# Altium PCB LED_12T-V1.1拼.PcbDoc (part 1 of 5)
Units mm, origin at the board's own origin, x right, y up, seen from the top; angles counter-clockwise.
Board outline 152.4 x 101.6 mm, 2 copper layers (Top Layer, Bottom Layer); 148 components, 0 nets, 416 pads, 236 vias.
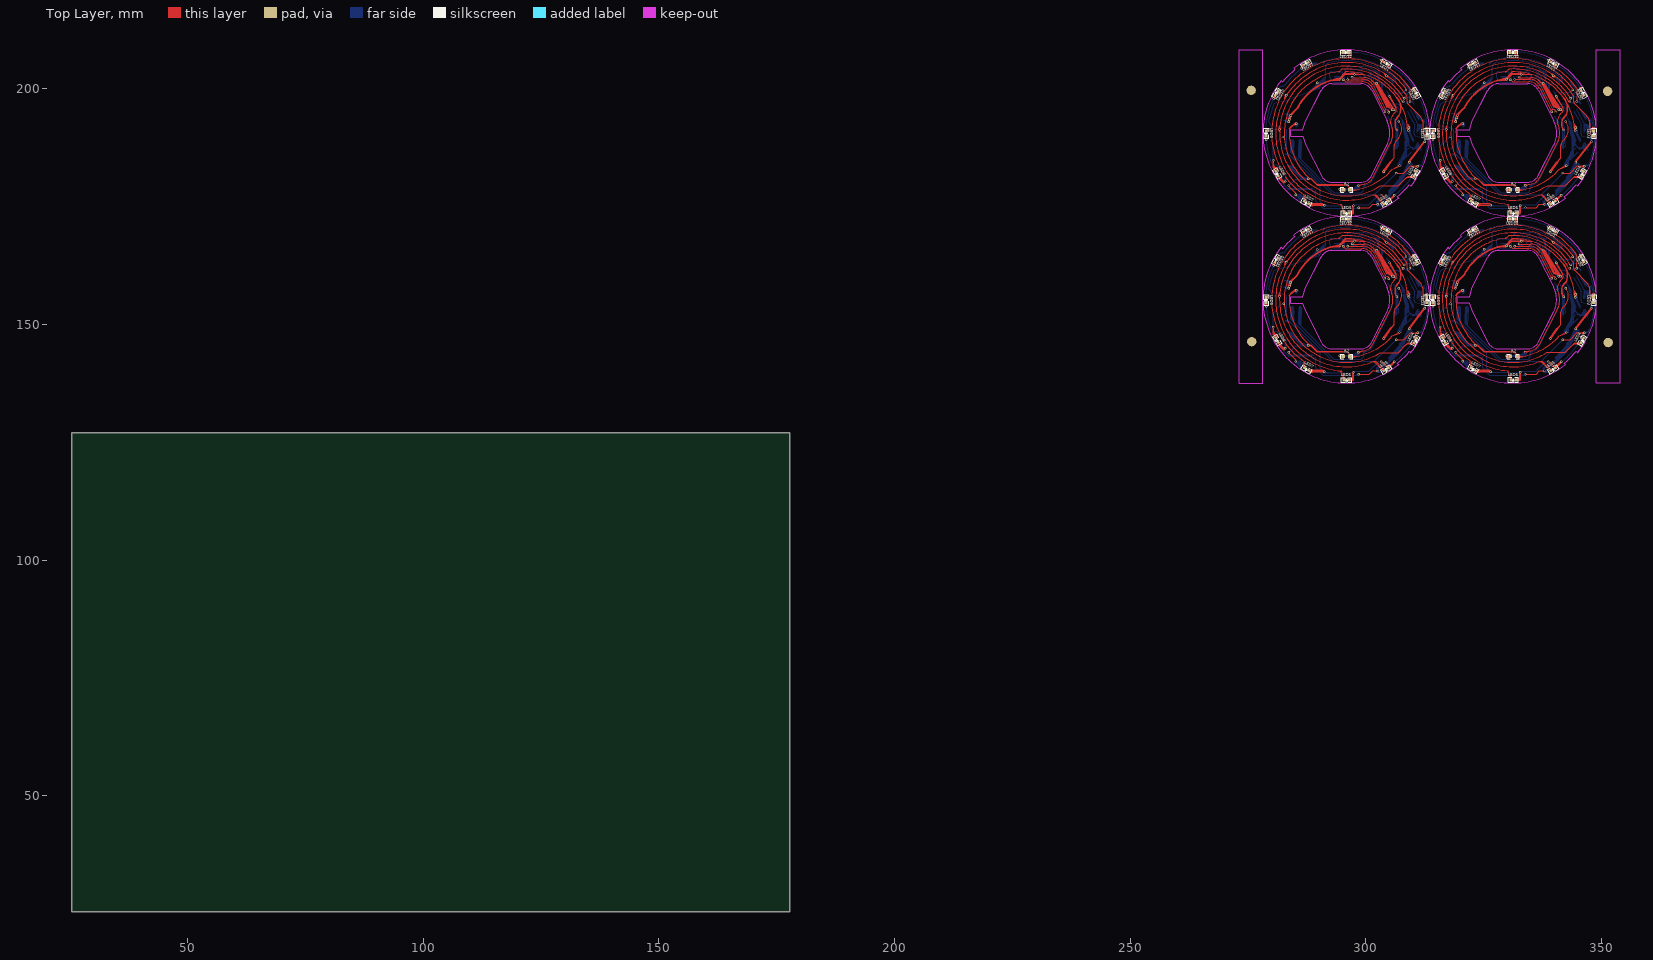
[diagram p0: Top Layer view]
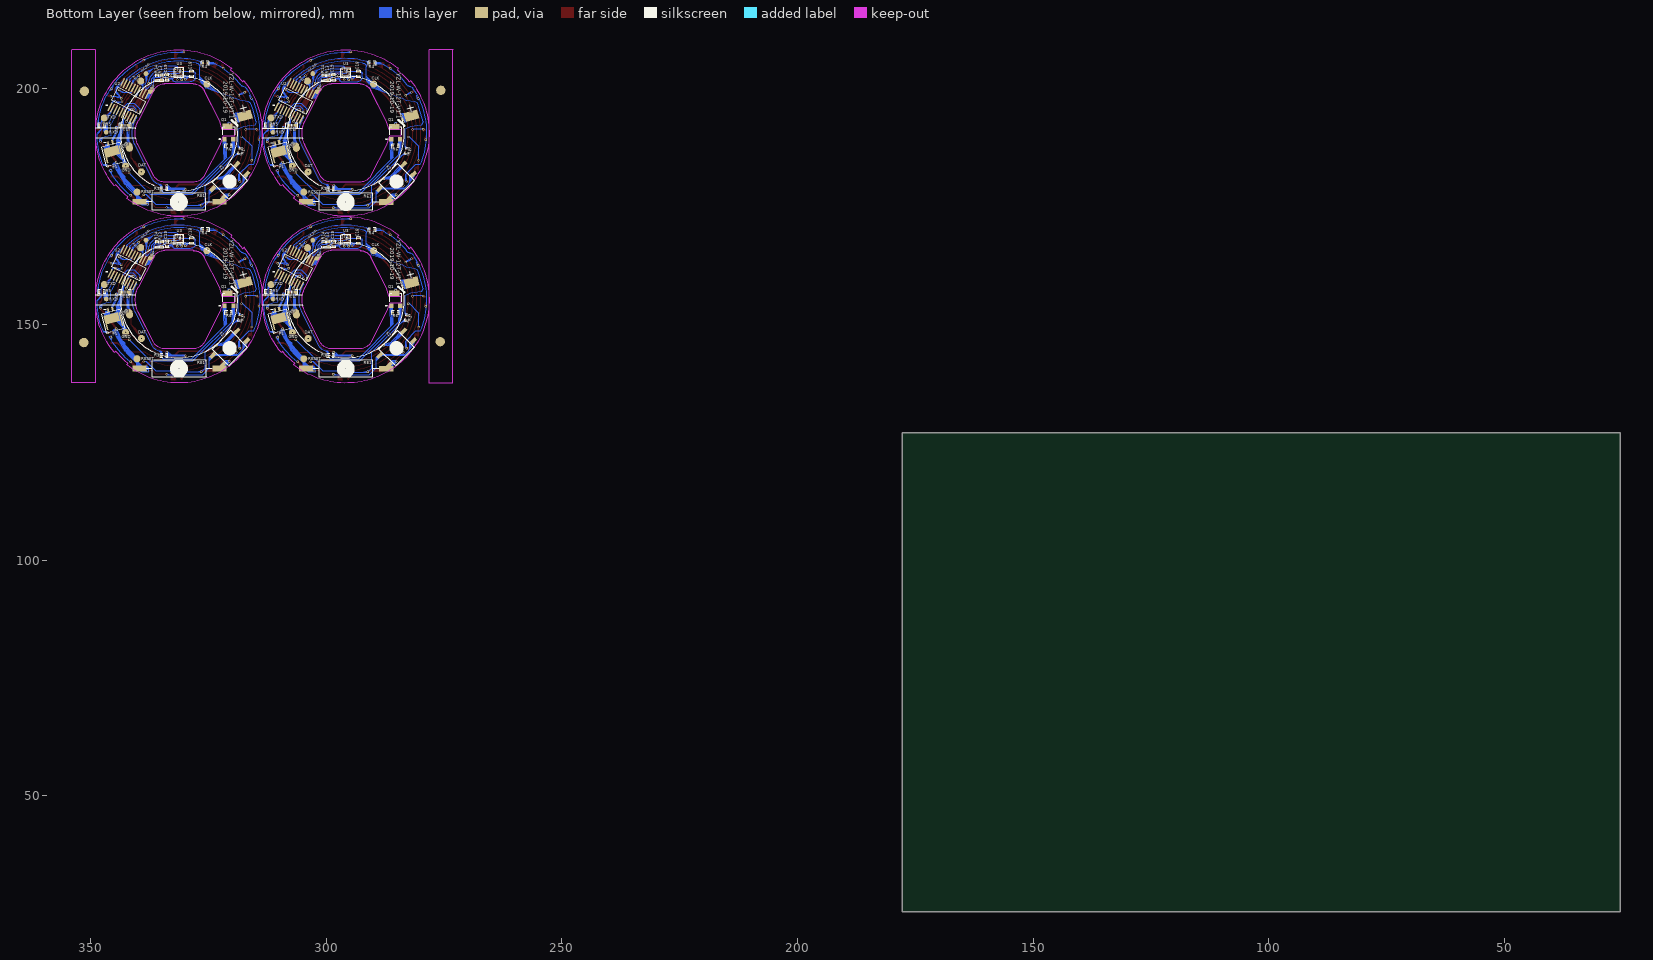
[diagram p1: Bottom Layer view, seen from below]

## Layer stack, top to bottom
Top Layer: signal copper 0.0356
Dielectric: dielectric 0.32, FR-4, Dk 4.8
Bottom Layer: signal copper 0.0356

## Board outline
25.4,25.4 177.8,25.4 177.8,127 25.4,127

## Design rules (kind name [scope] priority, off if disabled: settings)
Clearance [All] p1: gap=0.254
PolygonConnect [All] p1: connectstyle=Relief reliefconductorwidth=0.254 reliefentries=4 polygonreliefangle="90 Angle"
RoutingVias [All] p1: holewidth=0.711 width=1.27 viastyle="Through Hole" minholewidth=0.711 minwidth=1.27 maxholewidth=0.711 maxwidth=1.27
SilkscreenOverComponentPads [All] p1: minsilkscreentomaskgap=0.254
SolderMaskExpansion [All] p1: expansion=0.102
Width [All] p1: maxlimit=0.254 minlimit=0.254 preferedwidth=0.254
27 further rules are at their usual default settings.

## Components (designator, comment, footprint, x,y, rotation, side; value= is the part's Value field where it differs from the comment)
BAT "测试点" 测试点#1 341.802,152.261 r315 bottom (schematic designator 3V3)
BAT "测试点" 测试点#1 306.419,152.252 r315 bottom (schematic designator 3V3)
BAT "测试点" 测试点#1 306.425,187.611 r315 bottom (schematic designator 3V3)
BAT "测试点" 测试点#1 341.808,187.62 r315 bottom (schematic designator 3V3)
C1 "104" 0603P 342.664,156.86 r180 bottom
C1 "104" 0603P 307.281,156.851 r180 bottom
C1 "104" 0603P 307.287,192.21 r180 bottom
C1 "104" 0603P 342.669,192.219 r180 bottom
C18 "104" 0402_C 328.547,167.836 r90 bottom
C18 "104" 0402_C 293.164,167.827 r90 bottom
C18 "104" 0402_C 293.169,203.186 r90 bottom
C18 "104" 0402_C 328.552,203.195 r90 bottom
C19 "104" 0402_C 333.78,167.084 r270 bottom
C19 "104" 0402_C 298.397,167.076 r270 bottom
C19 "104" 0402_C 298.402,202.435 r270 bottom
C19 "104" 0402_C 333.785,202.444 r270 bottom
CLK "测试点" 测试点#2 325.245,165.678 r180 bottom
CLK "测试点" 测试点#2 289.862,165.669 r180 bottom
CLK "测试点" 测试点#2 289.867,201.028 r180 bottom
CLK "测试点" 测试点#2 325.25,201.037 r180 bottom
DAT "测试点" 测试点#2 339.148,147.047 r180 bottom
DAT "测试点" 测试点#2 303.765,147.038 r180 bottom
DAT "测试点" 测试点#2 303.77,182.397 r180 bottom
DAT "测试点" 测试点#2 339.153,182.406 r180 bottom
GND "测试点" 测试点#2 342.508,148.311 r180 bottom
GND "测试点" 测试点#2 307.125,148.302 r180 bottom
GND "测试点" 测试点#2 307.131,183.661 r180 bottom
GND "测试点" 测试点#2 342.513,183.67 r180 bottom
K2 "SW-02" 四向滚珠开关 320.462,145.006 r135 bottom
K2 "SW-02" 四向滚珠开关 285.079,144.997 r135 bottom
K2 "SW-02" 四向滚珠开关 285.085,180.356 r135 bottom
K2 "SW-02" 四向滚珠开关 320.467,180.365 r135 bottom
LED1 "LED" 0402_LED 339.786,169.999 r330 top
LED1 "LED" 0402_LED 304.403,169.99 r330 top
LED1 "LED" 0402_LED 304.409,205.349 r330 top
LED1 "LED" 0402_LED 339.792,205.358 r330 top
LED2 "LED" 0402_LED 345.977,163.739 r300 top
LED2 "LED" 0402_LED 310.594,163.73 r300 top
LED2 "LED" 0402_LED 310.599,199.089 r300 top
LED2 "LED" 0402_LED 345.982,199.098 r300 top
LED3 "LED" 0402_LED 348.309,155.185 r270 top
LED3 "LED" 0402_LED 312.926,155.177 r270 top
LED3 "LED" 0402_LED 312.931,190.536 r270 top
LED3 "LED" 0402_LED 348.314,190.545 r270 top
LED4 "LED" 0402_LED 345.894,146.636 r240 top
LED4 "LED" 0402_LED 310.511,146.627 r240 top
LED4 "LED" 0402_LED 310.517,181.986 r240 top
LED4 "LED" 0402_LED 345.899,181.995 r240 top
LED5 "LED" 0402_LED 339.67,140.509 r210 top
LED5 "LED" 0402_LED 304.287,140.5 r210 top
LED5 "LED" 0402_LED 304.292,175.859 r210 top
LED5 "LED" 0402_LED 339.675,175.868 r210 top
LED6 "LED" 0402_LED 331.271,138.262 r180 top
LED6 "LED" 0402_LED 295.888,138.253 r180 top
LED6 "LED" 0402_LED 295.894,173.612 r180 top
LED6 "LED" 0402_LED 331.276,173.621 r180 top
LED7 "LED" 0402_LED 322.763,140.558 r150 top
LED7 "LED" 0402_LED 287.38,140.549 r150 top
LED7 "LED" 0402_LED 287.386,175.909 r150 top
LED7 "LED" 0402_LED 322.769,175.917 r150 top
LED8 "LED" 0402_LED 316.536,146.723 r120 top
LED8 "LED" 0402_LED 281.153,146.714 r120 top
LED8 "LED" 0402_LED 281.158,182.073 r120 top
LED8 "LED" 0402_LED 316.541,182.082 r120 top
LED9 "LED" 0402_LED 314.241,155.237 r90 top
LED9 "LED" 0402_LED 278.859,155.228 r90 top
LED9 "LED" 0402_LED 278.864,190.587 r90 top
LED9 "LED" 0402_LED 314.247,190.596 r90 top
LED10 "LED" 0402_LED 316.471,163.746 r60 top
LED10 "LED" 0402_LED 281.088,163.737 r60 top
LED10 "LED" 0402_LED 281.094,199.096 r60 top
LED10 "LED" 0402_LED 316.476,199.105 r60 top
LED11 "LED" 0402_LED 322.713,169.988 r30 top
LED11 "LED" 0402_LED 287.33,169.979 r30 top
LED11 "LED" 0402_LED 287.336,205.338 r30 top
LED11 "LED" 0402_LED 322.718,205.347 r30 top
LED12 "LED" 0402_LED 331.172,172.342 r0 top (schematic designator LED11)
LED12 "LED" 0402_LED 295.789,172.333 r0 top (schematic designator LED11)
LED12 "LED" 0402_LED 295.795,207.693 r0 top (schematic designator LED11)
LED12 "LED" 0402_LED 331.178,207.701 r0 top (schematic designator LED11)
P1 "BAT" SH1.0-2P 346.284,153.071 r165 bottom
P1 "BAT" SH1.0-2P 310.901,153.062 r165 bottom
P1 "BAT" SH1.0-2P 310.907,188.421 r165 bottom
P1 "BAT" SH1.0-2P 346.29,188.43 r165 bottom
P5 "BAT" CR2450 331.276,155.14 r165 bottom locked
P5 "BAT" CR2450 295.893,155.132 r165 bottom locked
P5 "BAT" CR2450 295.898,190.491 r165 bottom locked
P5 "BAT" CR2450 331.281,190.5 r165 bottom locked
Q1 "2N3904" SOT-23 321.556,154.011 r180 bottom locked
Q1 "2N3904" SOT-23 286.173,154.002 r180 bottom locked
Q1 "2N3904" SOT-23 286.179,189.361 r180 bottom locked
Q1 "2N3904" SOT-23 321.562,189.37 r180 bottom locked
R1 "1K" 0402_R#1 318.234,151.436 r105 bottom
R1 "1K" 0402_R#1 282.851,151.427 r105 bottom
R1 "1K" 0402_R#1 282.856,186.786 r105 bottom
R1 "1K" 0402_R#1 318.239,186.795 r105 bottom
R2 "1K" 0603_R 331.252,143.224 r0 top
R2 "1K" 0603_R 295.869,143.216 r0 top
R2 "1K" 0603_R 295.874,178.575 r0 top
R2 "1K" 0603_R 331.257,178.584 r0 top
R3 "100K" 0402_R#2 334.36,143.377 r180 bottom
R3 "100K" 0402_R#2 298.977,143.368 r180 bottom
R3 "100K" 0402_R#2 298.983,178.727 r180 bottom
R3 "100K" 0402_R#2 334.365,178.736 r180 bottom
R4 "1K" 0402_R#1 325.682,170.119 r0 bottom
R4 "1K" 0402_R#1 290.299,170.11 r0 bottom
R4 "1K" 0402_R#1 290.304,205.469 r0 bottom
R4 "1K" 0402_R#1 325.687,205.478 r0 bottom
R5 "1K" 0402_R#1 347.665,156.913 r180 bottom
R5 "1K" 0402_R#1 312.282,156.904 r180 bottom
R5 "1K" 0402_R#1 312.287,192.263 r180 bottom
R5 "1K" 0402_R#1 347.67,192.272 r180 bottom
R6 "1M" 0402_R#2 320.623,152.505 r180 bottom
R6 "1M" 0402_R#2 285.24,152.497 r180 bottom
R6 "1M" 0402_R#2 285.246,187.856 r180 bottom
R6 "1M" 0402_R#2 320.629,187.865 r180 bottom
R13 "4.7K" 0402_R#2 334.929,166.936 r270 bottom
R13 "4.7K" 0402_R#2 299.546,166.927 r270 bottom
R13 "4.7K" 0402_R#2 299.552,202.286 r270 bottom
R13 "4.7K" 0402_R#2 334.935,202.295 r270 bottom
R14 "4.7K" 0402_R#2 335.891,166.927 r270 bottom
R14 "4.7K" 0402_R#2 300.508,166.918 r270 bottom
R14 "4.7K" 0402_R#2 300.514,202.277 r270 bottom
R14 "4.7K" 0402_R#2 335.897,202.286 r270 bottom
RE1 "KEY_M" 滚珠开关12*3.6 331.188,140.653 r180 bottom
RE1 "KEY_M" 滚珠开关12*3.6 295.805,140.644 r180 bottom
RE1 "KEY_M" 滚珠开关12*3.6 295.81,176.003 r180 bottom
RE1 "KEY_M" 滚珠开关12*3.6 331.193,176.012 r180 bottom
RESET "测试点" 测试点#2 340.069,142.745 r180 bottom
RESET "测试点" 测试点#2 304.686,142.736 r180 bottom
RESET "测试点" 测试点#2 304.691,178.095 r180 bottom
RESET "测试点" 测试点#2 340.074,178.104 r180 bottom
RXD "测试点" 测试点#3 346.599,155.432 r180 bottom
RXD "测试点" 测试点#3 311.216,155.423 r180 bottom
RXD "测试点" 测试点#3 311.222,190.782 r180 bottom
RXD "测试点" 测试点#3 346.604,190.791 r180 bottom
TXD "测试点" 测试点#2 347.01,158.479 r180 bottom
TXD "测试点" 测试点#2 311.628,158.47 r180 bottom
TXD "测试点" 测试点#2 311.633,193.83 r180 bottom
TXD "测试点" 测试点#2 347.016,193.838 r180 bottom
U2 "N76E003" STSOP20 341.575,162.304 r297 bottom locked
U2 "N76E003" STSOP20 306.192,162.295 r297 bottom locked
U2 "N76E003" STSOP20 306.197,197.654 r297 bottom locked
U2 "N76E003" STSOP20 341.58,197.663 r297 bottom locked
U3 "SC7A21" LGA-12-2*2*1 331.198,168.104 r180 bottom
U3 "SC7A21" LGA-12-2*2*1 295.816,168.096 r180 bottom
U3 "SC7A21" LGA-12-2*2*1 295.821,203.455 r180 bottom
U3 "SC7A21" LGA-12-2*2*1 331.204,203.464 r180 bottom

## Footprints (in the part's own frame and the unit in brackets; to place one, negate y for a bottom-side part, rotate by r counter-clockwise, add the part's x,y. Pads: shape width x height; smd on the part's side, far side on the other; paste and mask are expansions set on the pad)
0402_C [mm]
  rect 0.4x0.6 smd: 1(-0.518,-0.008) 2(0.485,-0.01)
  silkscreen extent -0.84,-0.41 0.8,0.39
0402_LED [mm]
  rect 0.6x0.6 smd: 1(-0.568,0.013) 2(0.532,0.013)
  silkscreen extent -1.1,-0.51 1.07,0.54
0402_R#1 [mm]
  rect 0.4x0.6 smd: 1(-0.522,0.032) 2(0.472,0.033)
  silkscreen extent -0.83,-0.38 0.78,0.44
0402_R#2 [mm]
  rect 0.4x0.6 smd: 1(-0.558,0.013) 2(0.435,0.013)
  silkscreen extent -0.86,-0.4 0.75,0.42
0603_R [mil]
  rect 30x30 smd: 1(-24.45,0.72) 2(30.05,0.65)
  silkscreen extent -47,-19 53,21
0603P [mil]
  rect 30x30 smd: 1(-27,0) 2(27.5,-0.06)
  silkscreen extent -50,-20 50,20
CR2450 [mm]
  rect 3x2 smd: 1(-14.606,0.015) 2(14.524,0.042)
  silkscreen extent -12.22,-12.31 12.38,12.29
LGA-12-2*2*1 [mm]
  rect 0.32x0.32 smd: 1(-0.757,0.702) 2(-0.76,0.19) 3(-0.758,-0.308) 4(-0.751,-0.826) 5(-0.253,-0.826) 6(0.25,-0.82) 7(0.748,-0.826) 8(0.751,-0.314) 9(0.748,0.19) 10(0.748,0.699) 11(0.25,0.696) 12(-0.251,0.699)
  silkscreen extent -1.04,-1.07 1.04,0.97
SH1.0-2P [mm]
  rect 0.3x3 smd: 0(-1.11,-2.564) 0(2.193,-2.557)
  rect 0.5x1 smd: 1(0,0) 2(0.998,0)
  silkscreen extent -1.52,-4.66 2.53,-0.46
SOT-23 [mm]
  rect 0.9x0.95 smd: 1(-0.025,-0.011) 2(1.875,-0.011)
  rect 2.2x1.2 smd: 3(0.626,2.641)
  silkscreen extent -1.15,-0.14 2.23,2.49
STSOP20 [mm]
  oval 2x0.35 smd: 1(3.241,-3.17) 2(3.241,-2.52) 3(3.241,-1.87) 4(3.241,-1.22) 5(3.241,-0.57) 6(3.241,0.08) 7(3.241,0.73) 8(3.241,1.38) 9(3.241,2.03) 10(3.241,2.68) 11(-2.559,2.68) 12(-2.559,2.03) 13(-2.559,1.38) 14(-2.559,0.73) 15(-2.559,0.08) 16(-2.559,-0.57) 17(-2.559,-1.22) 18(-2.559,-1.87) 19(-2.559,-2.52) 20(-2.559,-3.17)
  silkscreen extent -1.16,-4.02 3.37,3.06
四向滚珠开关 [mm]
  rect 1.5x0.8 smd: 1(-3.629,-1.47) 2(3.651,-1.454) 3(3.635,1.492) 4(-3.645,1.435)
  silkscreen extent -2.81,-2.52 2.81,2.49
测试点#1 [mm]
  oval 1.5x2 smd rot 150: 1(-0.051,0)
测试点#2 [mm]
  round 1.5 smd: 1(-0.051,0)
测试点#3 [mm]
  round 1 smd: 1(-0.051,0)
滚珠开关12*3.6 [mm]
  rect 3x1.2 smd: 1(-8.442,0.034) 2(8.549,0.015)
  silkscreen extent -7.01,-1.79 7.02,1.82

## Part data
C18 C18 C18 C18 C19 C19 C19 C19: library part Cap, "Capacit"
P1 P1 P1 P1 P5 P5 P5 P5: library part "Header 2", "Header, 2-P"
Q1 Q1 Q1 Q1: "NPN General Purpose Amplifi"
U2 U2 U2 U2: library part N76
U3 U3 U3 U3: library part SC

## Free pads (board coordinates)
  oval 1x1.6 smd far side rot 45: 0(301.726,164.286) 0(301.731,199.645) 0(337.109,164.295) 0(337.114,199.654)
  round 1 smd far side: 0(302.84,167.891) 0(302.846,203.25) 0(338.223,167.9) 0(338.229,203.259)
  round 1.524 smd far side: 0(303.977,166.31) 0(303.982,201.669) 0(339.359,166.319) 0(339.365,201.678)
  round 2 all layers, no hole: 2(275.672,199.697) 2(351.411,146.183) 3(275.793,146.37) 3(351.29,199.51)

## Via types
v1: diameter 0.5, hole 0.3, Top Layer to Bottom Layer, 236 vias

## Nets (pads, with @x,y where several pads share a name; then routed paths per layer and width w, separated by ;. In a path a pad name is that pad's centre, name@x,y a point inside that pad or via, vN(x,y) a via of type N, cw(c..) or ccw(c..) an arc to the next point about the centre after c; other vN are vias at no path point)
pads on no net: BAT.1 C1.1 C1.2 C18.1 C18.2 C19.1 C19.2 CLK.1 DAT.1 GND.1 K2.1 K2.2 K2.3 K2.4 LED1.1 LED1.2 LED2.1 LED2.2 LED3.1 LED3.2 LED4.1 LED4.2 LED5.1 LED5.2 LED6.1 LED6.2 LED7.1 LED7.2 LED8.1 LED8.2 LED9.1 LED9.2 LED10.1 LED10.2 LED11.1 LED11.2 LED12.1 LED12.2 P1.0 P1.1 P1.2 P5.1 P5.2 Q1.1 Q1.2 Q1.3 R1.1 R1.2 R2.1 R2.2 R3.1 R3.2 R4.1 R4.2 R5.1 R5.2 R6.1 R6.2 R13.1 R13.2 R14.1 R14.2 RE1.1 RE1.2 RESET.1 RXD.1 TXD.1 U2.1 U2.2 U2.3 U2.4 U2.5 U2.6 U2.7 U2.8 U2.9 U2.10 U2.11 U2.12 U2.13 U2.14 U2.15 U2.16 U2.17 U2.18 U2.19 U2.20 U3.1 U3.2 U3.3 U3.4 U3.5 U3.6 U3.7 U3.8 U3.9 U3.10 U3.11 U3.12
copper on no net: | length 5754.5
  Top Layer w0.127: v1@298.351,144.337 299.159,144.413 ccw(c299.159,147.013) 301.477,145.836 ; v1@298.356,179.697 299.165,179.772 ccw(c299.165,182.372) 301.483,181.195 ; v1@298.504,144.005 299.201,144.374 ; v1@298.51,179.364 299.207,179.733 ; 301.48,145.808 305.198,153.068 ; 301.485,181.168 305.203,188.427 ; v1@304.913,162.956 306.342,160.694 cw(c306.034,160.386) 306.47,160.386 306.47,160.158 cw(c305.833,160.158) 306.283,159.708 306.005,159.429 ccw(c307.938,157.497) 305.204,157.497 cw(c300.859,155.29) 305.204,153.084 ; v1@304.919,198.316 306.348,196.053 cw(c306.04,195.745) 306.475,195.745 306.475,195.517 cw(c305.839,195.517) 306.289,195.067 306.01,194.789 ccw(c307.943,192.856) 305.21,192.856 cw(c300.865,190.649) 305.21,188.443 ; v1@305.024,162.948 305.168,162.693 ; v1@305.03,163.096 306.419,160.645 ; v1@305.029,198.307 305.174,198.052 ; v1@305.036,198.455 306.425,196.004 ; v1@305.143,163.093 305.305,162.319 ; v1@305.148,198.452 305.31,197.678 ; v1@333.734,144.346 334.542,144.422 ccw(c334.542,147.022) 336.86,145.845 ; v1@333.739,179.705 334.547,179.781 ccw(c334.547,182.381) 336.866,181.204 ; v1@333.887,144.014 334.584,144.383 ; v1@333.892,179.373 334.59,179.742 ; 336.862,145.817 340.581,153.077 ; 336.868,181.176 340.586,188.436 ; v1@340.296,162.965 341.725,160.703 cw(c341.417,160.395) 341.853,160.395 341.853,160.167 cw(c341.216,160.167) 341.666,159.717 341.388,159.438 ccw(c343.32,157.506) 340.587,157.506 cw(c336.242,155.299) 340.587,153.093 ; v1@340.302,198.324 341.731,196.062 cw(c341.423,195.754) 341.858,195.754 341.858,195.526 cw(c341.222,195.526) 341.672,195.076 341.393,194.797 ccw(c343.326,192.865) 340.593,192.865 cw(c336.247,190.658) 340.593,188.452 ; v1@340.407,162.957 340.551,162.702 ; v1@340.412,198.316 340.557,198.061 ; v1@340.413,163.105 341.802,160.654 ; v1@340.419,198.464 341.808,196.013 ; v1@340.526,163.101 340.687,162.327 ; v1@340.531,198.46 340.693,197.686
  Top Layer w0.2: v1@280.304,162.696 280.465,163.109 280.622,163.284 280.655,163.28 ; v1@280.31,198.056 280.471,198.468 280.627,198.643 280.661,198.639 ; 281.269,164.087 281.29,164.077 281.519,163.868 v1@281.926,163.805 ; 281.275,199.446 281.296,199.436 281.525,199.227 v1@281.932,199.164 ; v1@281.54,156.094 281.751,156.706 ; v1@281.545,191.453 281.757,192.065 ; v1@281.553,155.922 281.656,155.555 ; v1@281.558,191.281 281.662,190.914 ; 281.669,155.542 281.829,155.978 v1@281.82,155.978 ; 281.675,190.902 281.834,191.337 v1@281.826,191.337 ; 281.717,156.667 v1@281.837,156.012 ; 281.722,192.026 v1@281.843,191.371 ; 281.772,145.661 281.962,145.661 v1@282.783,144.84 ; 281.777,181.02 281.968,181.02 v1@282.789,180.199 ; 281.881,145.538 282.608,144.811 282.669,144.811 ; 281.887,180.897 282.614,180.17 282.675,180.17 ; 282.773,162.571 v1@282.941,163.291 ; 282.778,197.93 v1@282.946,198.65 ; v1@283,163.138 v1@283.011,163.054 ; v1@283.006,198.497 v1@283.016,198.414 ; v1@283.053,163.403 283.531,163.778 ; v1@283.058,198.762 283.537,199.137 ; 286.677,142.257 286.866,140.812 ; 286.682,177.616 286.872,176.171 ; 286.86,142.192 cw(c295.821,155.221) v1@308.724,164.363 ; 286.865,177.551 cw(c295.826,190.58) v1@308.729,199.722 ; 286.873,142.181 286.891,140.768 ; 286.878,177.54 286.897,176.127 ; 286.879,142.206 286.98,142.093 287.106,140.881 ; 286.884,177.565 286.985,177.452 287.112,176.24 ; 287.744,170.2 287.738,170.2 287.748,169.931 288.182,169.157 288.178,169.17 ; 287.75,205.559 287.744,205.559 287.753,205.29 288.187,204.516 288.184,204.529 ; 287.848,169.993 288.301,169.206 ; 287.854,205.352 288.307,204.565 ; 287.877,170.342 287.877,170.326 cw(c287.877,170.122) 288.081,170.122 288.554,169.338 ; 287.883,205.701 287.883,205.685 cw(c287.883,205.481) 288.087,205.481 288.559,204.698 ; 287.978,170.103 288.457,169.264 ; 287.983,205.462 288.462,204.623 ; 288.033,169.031 288.084,169.523 ; 288.038,204.39 288.09,204.882 ; 288.153,140.243 288.31,140.4 290.889,140.4 ; 288.158,175.602 288.316,175.759 290.894,175.759 ; 288.165,169.578 288.719,169.416 ; 288.171,204.937 288.725,204.775 ; 294.589,140.147 295.277,138.28 ; 294.595,175.506 295.282,173.639 ; 294.68,140.167 295.554,138.516 ; 294.685,175.527 295.56,173.875 ; 294.728,140.186 cw(c295.893,155.186) 308.448,163.473 cw(c307.711,162.736) 308.753,162.736 308.753,161.903 ccw(c309.33,161.903) 308.922,161.496 311.324,159.094 cw(c309.156,156.926) 312.222,156.926 312.222,156.293 ; 294.733,175.545 cw(c295.898,190.545) 308.454,198.832 cw(c307.717,198.095) 308.759,198.095 308.759,197.262 ccw(c309.335,197.262) 308.928,196.855 311.33,194.453 cw(c309.162,192.285) 312.228,192.285 312.228,191.652 ; 294.742,140.167 295.346,138.28 ; 294.748,175.527 295.351,173.639 ; v1@294.804,172.669 294.816,172.657 295.11,172.657 ; v1@294.81,208.028 294.821,208.016 295.115,208.016 ; 295.127,172.648 295.129,172.645 295.137,172.645 ; 295.132,208.007 295.135,208.004 295.143,208.004 ; 295.304,138.779 295.499,138.405 ; 295.31,174.138 295.504,173.764 ; v1@295.34,166.549 295.759,166.13 299.163,166.13 ; v1@295.345,201.908 295.765,201.489 299.168,201.489 ; 296.117,172.076 296.487,171.699 ; 296.122,207.435 296.493,207.058 ; v1@296.17,166.634 299.379,166.634 ; v1@296.175,201.994 299.385,201.994 ; 296.234,171.08 296.559,171.514 ; 296.239,206.439 296.564,206.874 ; 296.289,172.089 296.302,172.076 296.436,171.897 ; 296.295,207.448 296.308,207.435 296.442,207.256 ; 296.398,171.05 ccw(c296.398,171.063) 296.411,171.063 296.411,172.436 cw(c296.424,172.436) 296.424,172.449 ccw(c296.424,172.572) 296.547,172.572 cw(c296.559,172.572) 296.559,172.585 296.566,172.585 ; 296.404,206.409 ccw(c296.404,206.422) 296.417,206.422 296.417,207.796 cw(c296.429,207.796) 296.429,207.808 ccw(c296.429,207.931) 296.552,207.931 cw(c296.565,207.931) 296.565,207.944 296.571,207.944 ; 296.47,138.231 296.456,138.224 296.699,138.05 297.365,138.14 ; 296.476,173.59 296.462,173.583 296.705,173.409 297.371,173.499 ; 296.585,172.578 cw(c296.585,172.533) 296.63,172.533 296.63,172.507 cw(c296.624,172.507) 296.624,172.501 cw(c296.624,172.424) 296.701,172.424 296.701,171.037 ccw(c296.727,171.037) 296.727,171.011 ; 296.588,138.238 297.268,138.349 ; 296.591,207.937 cw(c296.591,207.892) 296.636,207.892 296.636,207.867 cw(c296.629,207.867) 296.629,207.86 cw(c296.629,207.783) 296.707,207.783 296.707,206.396 ccw(c296.733,206.396) 296.733,206.37 ; 296.594,173.597 297.274,173.708 ; 296.602,138.161 297.393,138.238 ; 296.606,171.646 296.606,171.509 297.065,171.051 ; 296.607,173.52 297.399,173.597 ; 296.611,172.52 ccw(c296.611,172.514) 296.605,172.514 296.605,171.05 ccw(c296.624,171.05) 296.624,171.03 ; 296.612,207.005 296.612,206.868 297.07,206.41 ; 296.614,171.497 296.614,171.38 296.935,171.058 ; 296.617,207.879 ccw(c296.617,207.873) 296.61,207.873 296.61,206.409 ccw(c296.629,206.409) 296.629,206.389 ; 296.62,206.856 296.62,206.739 296.941,206.418 ; 296.806,138.384 297.277,138.855 ; 296.811,173.743 297.283,174.214 ; v1@297.089,167.037 299.634,167.037 ; v1@297.094,202.396 299.639,202.396 ; 297.251,138.332 297.251,139.916 v1@297.395,140.06 ; 297.257,173.691 297.257,175.275 v1@297.401,175.419 ; v1(298.482,139.458) 300.759,139.458 301.453,140.151 v1(302.527,140.151) ; v1(298.487,174.817) 300.765,174.817 301.459,175.51 v1(302.532,175.51) ; 299.136,166.138 cw(c299.136,163.538) 301.454,164.715 ; 299.142,201.497 cw(c299.142,198.897) 301.46,200.074 ; 299.352,166.643 cw(c299.352,164.043) 301.671,165.22 ; 299.358,202.002 cw(c299.358,199.402) 301.676,200.579 ; 299.607,167.045 cw(c299.607,164.445) 301.925,165.622 ; 299.612,202.404 cw(c299.612,199.804) 301.931,200.981 ; 301.468,164.691 v1@304.01,159.687 ; 301.474,200.05 v1@304.015,195.046 ; 301.492,142.189 cw(c295.882,155.243) v1@308.036,162.604 ; 301.498,177.548 cw(c295.888,190.602) v1@308.042,197.963 ; 301.685,165.196 304.144,160.354 304.622,160.197 v1@304.806,159.834 ; 301.69,200.555 304.149,195.713 304.627,195.557 v1@304.812,195.193 ; 301.889,165.983 v1@302.126,165.662 ; 301.895,201.342 v1@302.132,201.021 ; 301.939,165.598 304.329,160.893 305.196,160.61 v1@305.459,160.092 ; 301.945,200.957 304.334,196.252 305.201,195.969 v1@305.464,195.451 ; 302.109,165.612 304.507,160.908 ; 302.114,200.971 304.513,196.267 ; v1@302.241,165.734 304.741,160.928 ; v1@302.247,201.093 304.746,196.287 ; v1@302.398,165.608 305.361,160.875 ; v1@302.404,200.967 305.367,196.234 ; v1@302.423,165.854 v1@305.927,160.321 ; v1@302.428,201.213 v1@305.932,195.68 ; v1@303.242,170.563 303.535,170.27 303.82,170.27 303.846,170.296 303.872,170.296 ; v1@303.248,205.922 303.541,205.629 303.825,205.629 303.851,205.655 303.877,205.655 ; v1@303.259,170.622 303.529,170.622 cw(c303.529,170.232) 303.919,170.232 303.919,170.246 cw(c303.926,170.246) 303.926,170.253 ; v1@303.265,205.981 303.534,205.981 cw(c303.534,205.591) 303.925,205.591 303.925,205.605 cw(c303.932,205.605) 303.932,205.612 ; v1(303.302,142.139) 303.349,142.187 303.349,142.163 304.647,140.866 ; v1(303.307,177.499) 303.355,177.546 303.355,177.522 304.652,176.225 ; v1@303.389,170.611 303.609,170.391 303.656,170.391 ; v1@303.394,205.97 303.614,205.75 303.662,205.75 ; v1@303.409,142.223 304.682,140.949 304.813,140.949 ; v1@303.41,170.74 303.596,170.74 303.734,170.602 303.811,170.524 303.811,170.511 ; v1@303.414,177.582 304.688,176.308 304.819,176.308 ; v1@303.416,206.099 303.601,206.099 303.739,205.961 303.817,205.883 303.817,205.87 ; 303.81,167.972 v1@304.256,167.337 ; 303.816,203.331 v1@304.261,202.696 ; v1@304.409,167.26 304.409,167.252 305.102,167.082 ; v1@304.415,202.619 304.415,202.611 305.107,202.441 ; 304.418,160.27 304.511,160.27 304.96,159.821 v1@304.967,159.821 ; 304.424,195.629 304.517,195.629 304.965,195.18 v1@304.972,195.18 ; v1@304.543,167.369 304.632,167.26 ; v1@304.549,202.728 304.638,202.619 ; 304.704,160.91 304.838,160.776 304.916,160.776 ; 304.709,196.27 304.844,196.135 304.922,196.135 ; 304.712,140.733 304.712,140.787 v1@305.975,142.049 ; 304.718,176.092 304.718,176.146 v1@305.981,177.409 ; 304.731,160.975 304.84,160.975 304.903,161.038 305.299,161.038 v1@306.045,160.292 ; 304.732,140.887 304.732,140.948 v1@306.009,142.224 ; 304.736,196.334 304.846,196.334 304.909,196.397 305.305,196.397 v1@306.05,195.651 ; 304.738,176.246 304.738,176.307 v1@306.014,177.583 ; 304.914,140.753 304.914,140.766 v1@306.163,142.016 ; 304.919,176.112 304.919,176.125 v1@306.169,177.375 ; 305.173,161.048 306.039,160.432 v1@306.096,160.09 ; 305.179,196.407 306.044,195.791 v1@306.102,195.45 ; 305.226,160.933 v1@305.899,160.261 ; 305.232,196.293 v1@305.904,195.62 ; v1@306.382,146.663 307.947,146.734 ; v1@306.387,182.022 307.952,182.093 ; v1(306.417,146.784) 307.989,146.784 309.515,148.31 v1@310.978,148.31 ; v1(306.423,182.143) 307.994,182.143 309.521,183.669 v1@310.984,183.669 ; 309.5,148.145 309.494,148.139 v1@311.047,148.103 ; 309.506,183.504 309.5,183.498 v1@311.053,183.463 ; 310.2,164.196 310.01,164.386 310.01,164.879 310.096,164.964 310.214,164.964 310.29,164.888 310.29,164.708 310.385,164.613 ; 310.205,199.555 310.016,199.745 310.016,200.238 310.101,200.323 310.22,200.323 310.295,200.247 310.295,200.067 310.39,199.972 ; v1@310.281,147.163 310.344,147.1 310.691,147.038 ; v1@310.287,182.522 310.349,182.459 310.696,182.397 ; v1@310.295,147.531 310.712,147.399 310.774,147.315 310.774,147.295 ; v1@310.301,182.89 310.717,182.758 310.78,182.675 310.78,182.654 ; v1@310.434,147.163 310.524,147.385 ; v1@310.439,182.522 310.53,182.744 ; 312.022,157.953 cw(c311.767,157.698) 312.127,157.698 312.127,155.963 ; 312.027,193.312 cw(c311.773,193.057) 312.133,193.057 312.133,191.322 ; 312.177,156.153 312.177,155.356 ccw(c312.273,155.356) 312.205,155.288 ; 312.182,191.512 312.182,190.715 ccw(c312.278,190.715) 312.21,190.647 ; 312.226,156.315 312.226,155.256 ccw(c312.25,155.256) 312.233,155.239 ; 312.231,191.674 312.231,190.615 ccw(c312.255,190.615) 312.238,190.598 ; 312.876,155.803 312.856,155.81 312.744,155.998 312.751,156.504 312.911,156.595 313.182,156.532 313.147,155.914 ; 312.882,191.162 312.861,191.169 312.75,191.357 312.757,191.863 312.917,191.954 313.187,191.891 313.153,191.274 ; 312.932,155.778 312.932,156.025 cw(c313.405,156.025) v1@313.07,156.36 ; 312.937,191.137 312.937,191.384 cw(c313.411,191.384) v1@313.076,191.719 ; v1@313.015,156.317 313.057,155.977 ; v1@313.021,191.676 313.062,191.336 ; v1@315.687,162.705 315.848,163.118 316.005,163.293 316.038,163.288 ; v1@315.693,198.064 315.854,198.477 316.01,198.652 316.043,198.648 ; 316.652,164.096 316.673,164.085 316.902,163.877 v1@317.309,163.814 ; 316.658,199.455 316.678,199.445 316.908,199.236 v1@317.315,199.173 ; v1@316.923,156.103 317.134,156.715 ; v1@316.928,191.462 317.139,192.074 ; v1@316.936,155.931 317.039,155.564 ; v1@316.941,191.29 317.045,190.923 ; 317.052,155.551 317.212,155.987 v1@317.203,155.987 ; 317.058,190.91 317.217,191.346 v1@317.208,191.346 ; 317.099,156.676 v1@317.22,156.021 ; 317.105,192.035 v1@317.226,191.38 ; 317.154,145.67 317.345,145.67 v1@318.166,144.849 ; 317.16,181.029 317.35,181.029 v1@318.172,180.208 ; 317.264,145.547 317.991,144.82 318.052,144.82 ; 317.27,180.906 317.997,180.179 318.058,180.179 ; 318.155,162.58 v1@318.323,163.3 ; 318.161,197.939 v1@318.329,198.659 ; v1@318.383,163.147 v1@318.394,163.063 ; v1@318.389,198.506 v1@318.399,198.422 ; v1@318.436,163.412 318.914,163.787 ; v1@318.441,198.771 318.919,199.146 ; 322.06,142.266 322.249,140.821 ; 322.065,177.625 322.255,176.18 ; 322.242,142.201 cw(c331.204,155.23) v1@344.107,164.372 ; 322.248,177.56 cw(c331.209,190.589) v1@344.112,199.731 ; 322.255,142.19 322.274,140.777 ; 322.262,142.215 322.363,142.102 322.489,140.89 ; 322.261,177.549 322.28,176.136 ; 322.267,177.574 322.368,177.461 322.494,176.249 ; 323.127,170.209 323.121,170.209 323.131,169.94 323.564,169.166 323.561,169.179 ; 323.133,205.568 323.126,205.568 323.136,205.299 323.57,204.525 323.567,204.538 ; 323.231,170.001 323.684,169.215 ; 323.236,205.36 323.69,204.574 ; 323.26,170.351 323.26,170.335 cw(c323.26,170.131) 323.464,170.131 323.937,169.347 ; 323.266,205.71 323.266,205.694 cw(c323.266,205.49) 323.47,205.49 323.942,204.706 ; 323.36,170.111 323.84,169.273 ; 323.366,205.471 323.845,204.632 ; 323.415,169.04 323.467,169.532 ; 323.421,204.399 323.473,204.891 ; 323.536,140.252 323.693,140.409 326.272,140.409 ; 323.541,175.611 323.698,175.768 326.277,175.768 ; 323.548,169.587 324.102,169.425 ; 323.554,204.946 324.107,204.784 ; 329.972,140.156 330.659,138.289 ; 329.978,175.515 330.665,173.648 ; 330.062,140.176 330.937,138.525 ; 330.068,175.535 330.942,173.884 ; 330.111,140.195 cw(c331.275,155.194) 343.831,163.482 cw(c343.094,162.745) 344.136,162.745 344.136,161.912 ccw(c344.712,161.912) 344.305,161.504 346.707,159.103 cw(c344.539,156.935) 347.605,156.935 347.605,156.301 ; 330.116,175.554 cw(c331.281,190.554) 343.837,198.841 cw(c343.1,198.104) 344.142,198.104 344.142,197.271 ccw(c344.718,197.271) 344.311,196.863 346.712,194.462 cw(c344.544,192.294) 347.61,192.294 347.61,191.661 ; 330.125,140.176 330.729,138.289 ; 330.13,175.535 330.734,173.648 ; v1@330.187,172.677 330.199,172.666 330.492,172.666 ; v1@330.192,208.037 330.204,208.025 330.498,208.025 ; 330.51,172.656 330.512,172.654 330.52,172.654 ; 330.515,208.016 330.518,208.013 330.525,208.013 ; 330.687,138.788 330.881,138.414 ; 330.693,174.147 330.887,173.773 ; v1@330.723,166.558 331.142,166.139 334.546,166.139 ; v1@330.728,201.917 331.148,201.498 334.551,201.498 ; 331.5,172.085 331.87,171.708 ; 331.505,207.444 331.876,207.067 ; v1@331.552,166.643 334.762,166.643 ; v1@331.558,202.002 334.768,202.002 ; 331.617,171.088 331.942,171.523 ; 331.622,206.448 331.947,206.882 ; 331.672,172.098 331.685,172.085 331.819,171.906 ; 331.678,207.457 331.69,207.444 331.825,207.265 ; 331.781,171.059 ccw(c331.781,171.071) 331.794,171.071 331.794,172.445 cw(c331.807,172.445) 331.807,172.458 ccw(c331.807,172.581) 331.929,172.581 cw(c331.942,172.581) 331.942,172.594 331.949,172.594 ; 331.787,206.418 ccw(c331.787,206.431) 331.799,206.431 331.799,207.804 cw(c331.812,207.804) 331.812,207.817 ccw(c331.812,207.94) 331.935,207.94 cw(c331.948,207.94) 331.948,207.953 331.954,207.953 ; 331.853,138.239 331.839,138.233 332.082,138.059 332.748,138.149 ; 331.858,173.599 331.845,173.592 332.087,173.418 332.754,173.508 ; 331.968,172.587 cw(c331.968,172.542) 332.013,172.542 332.013,172.516 cw(c332.007,172.516) 332.007,172.51 cw(c332.007,172.432) 332.084,172.432 332.084,171.046 ccw(c332.11,171.046) 332.11,171.02 ; 331.971,138.246 332.651,138.357 ; 331.974,207.946 cw(c331.974,207.901) 332.019,207.901 332.019,207.875 cw(c332.012,207.875) 332.012,207.869 cw(c332.012,207.792) 332.09,207.792 332.09,206.405 ccw(c332.115,206.405) 332.115,206.379 ; 331.976,173.606 332.657,173.717 ; 331.985,138.17 332.776,138.246 ; 331.989,171.655 331.989,171.518 332.447,171.06 ; 331.99,173.529 332.782,173.606 ; 331.994,172.529 ccw(c331.994,172.523) 331.987,172.523 331.987,171.059 ccw(c332.007,171.059) 332.007,171.039 ; 331.995,207.014 331.995,206.877 332.453,206.419 ; 331.997,171.506 331.997,171.389 332.318,171.067 ; 331.999,207.888 ccw(c331.999,207.882) 331.993,207.882 331.993,206.418 ccw(c332.012,206.418) 332.012,206.398 ; 332.002,206.865 332.002,206.748 332.324,206.426 ; 332.189,138.393 332.66,138.864 ; 332.194,173.752 332.666,174.223 ; v1@332.472,167.046 335.016,167.046 ; v1@332.477,202.405 335.022,202.405 ; 332.634,138.341 332.634,139.925 v1@332.778,140.069 ; 332.639,173.7 332.639,175.284 v1@332.783,175.428 ; v1(333.864,139.466) 336.142,139.466 336.836,140.16 v1(337.909,140.16) ; v1(333.87,174.826) 336.148,174.826 336.841,175.519 v1(337.915,175.519) ; 334.519,166.147 cw(c334.519,163.547) 336.837,164.724 ; 334.524,201.506 cw(c334.524,198.906) 336.843,200.083 ; 334.735,166.652 cw(c334.735,164.052) 337.053,165.229 ; 334.741,202.011 cw(c334.741,199.411) 337.059,200.588 ; 334.99,167.054 cw(c334.99,164.454) 337.308,165.631 ; 334.995,202.413 cw(c334.995,199.813) 337.313,200.99 ; 336.851,164.7 v1@339.392,159.696 ; 336.857,200.059 v1@339.398,195.055 ; 336.875,142.197 cw(c331.265,155.252) v1@343.419,162.613 ; 336.881,177.557 cw(c331.271,190.611) v1@343.424,197.972 ; 337.067,165.205 339.526,160.362 340.005,160.206 v1@340.189,159.843 ; 337.073,200.564 339.532,195.722 340.01,195.565 v1@340.195,195.202 ; 337.272,165.992 v1@337.509,165.671 ; 337.278,201.351 v1@337.514,201.03 ; 337.322,165.607 339.711,160.901 340.579,160.618 v1@340.841,160.101 ; 337.327,200.966 339.717,196.261 340.584,195.978 v1@340.847,195.46 ; 337.492,165.621 339.89,160.917 ; 337.497,200.98 339.895,196.276 ; v1@337.624,165.743 340.124,160.937 ; v1@337.629,201.102 340.129,196.296 ; v1@337.781,165.617 340.744,160.884 ; v1@337.787,200.976 340.75,196.243 ; v1@337.806,165.863 v1@341.31,160.33 ; v1@337.811,201.222 v1@341.315,195.689 ; v1@338.625,170.572 338.918,170.279 339.203,170.279 339.229,170.305 339.254,170.305 ; v1@338.631,205.931 338.924,205.638 339.208,205.638 339.234,205.664 339.26,205.664 ; v1@338.642,170.631 338.912,170.631 cw(c338.912,170.24) 339.302,170.24 339.302,170.255 cw(c339.309,170.255) 339.309,170.262 ; v1@338.648,205.99 338.917,205.99 cw(c338.917,205.6) 339.307,205.6 339.307,205.614 cw(c339.315,205.614) 339.315,205.621 ; v1(338.685,142.148) 338.732,142.196 338.732,142.172 340.029,140.875 ; v1(338.69,177.507) 338.738,177.555 338.738,177.531 340.035,176.234 ; v1@338.772,170.619 338.992,170.4 339.039,170.4 ; v1@338.777,205.978 338.997,205.759 339.044,205.759 ; v1@338.792,142.232 340.065,140.958 340.196,140.958 ; v1@338.793,170.749 338.979,170.749 339.117,170.611 339.194,170.533 339.194,170.52 ; v1@338.797,177.591 340.071,176.317 340.201,176.317 ; v1@338.799,206.108 338.984,206.108 339.122,205.97 339.2,205.892 339.2,205.879 ; 339.193,167.981 v1@339.638,167.346 ; 339.199,203.34 v1@339.644,202.705 ; v1@339.792,167.269 339.792,167.261 340.485,167.09 ; v1@339.798,202.628 339.798,202.62 340.49,202.45 ; 339.801,160.279 339.894,160.279 340.343,159.83 v1@340.35,159.83 ; 339.807,195.638 339.899,195.638 340.348,195.189 v1@340.355,195.189 ; v1@339.926,167.378 340.015,167.269 ; v1@339.931,202.737 340.02,202.628 ; 340.087,160.919 340.221,160.785 340.299,160.785 ; 340.092,196.278 340.226,196.144 340.305,196.144 ; 340.095,140.742 340.095,140.795 v1@341.358,142.058 ; 340.101,176.101 340.101,176.155 v1@341.364,177.417 ; 340.114,160.984 340.223,160.984 340.286,161.047 340.682,161.047 v1@341.428,160.301 ; 340.115,140.896 340.115,140.957 v1@341.392,142.233 ; 340.119,196.343 340.229,196.343 340.291,196.406 340.688,196.406 v1@341.433,195.66 ; 340.121,176.255 340.121,176.316 v1@341.397,177.592 ; 340.297,140.762 340.297,140.775 v1@341.546,142.025 ; 340.302,176.121 340.302,176.134 v1@341.552,177.384 ; 340.556,161.057 341.421,160.441 v1@341.479,160.099 ; 340.562,196.416 341.427,195.8 v1@341.485,195.458 ; 340.609,160.942 v1@341.282,160.27 ; 340.615,196.301 v1@341.287,195.629 ; v1@341.765,146.672 343.33,146.743 ; v1@341.77,182.031 343.335,182.102 ; v1(341.8,146.793) 343.372,146.793 344.898,148.319 v1@346.361,148.319 ; v1(341.806,182.152) 343.377,182.152 344.903,183.678 v1@346.366,183.678 ; 344.883,148.154 344.877,148.148 v1@346.43,148.112 ; 344.888,183.513 344.882,183.507 v1@346.436,183.471 ; 345.583,164.205 345.393,164.395 345.393,164.888 345.478,164.973 345.597,164.973 345.673,164.897 345.673,164.717 345.768,164.622 ; 345.588,199.564 345.399,199.754 345.399,200.247 345.484,200.332 345.602,200.332 345.678,200.256 345.678,200.076 345.773,199.981 ; v1@345.664,147.172 345.727,147.109 346.074,147.047 ; v1@345.67,182.531 345.732,182.468 346.079,182.406 ; v1@345.678,147.539 346.094,147.408 346.157,147.324 346.157,147.304 ; v1@345.683,182.899 346.1,182.767 346.162,182.683 346.162,182.663 ; v1@345.817,147.172 345.907,147.394 ; v1@345.822,182.531 345.913,182.753 ; 347.405,157.961 cw(c347.15,157.707) 347.51,157.707 347.51,155.972 ; 347.41,193.321 cw(c347.156,193.066) 347.516,193.066 347.516,191.331 ; 347.559,156.162 347.559,155.365 ccw(c347.655,155.365) 347.588,155.297 ; 347.565,191.521 347.565,190.724 ccw(c347.661,190.724) 347.593,190.656 ; 347.609,156.324 347.609,155.265 ccw(c347.633,155.265) 347.616,155.248 ; 347.614,191.683 347.614,190.624 ccw(c347.638,190.624) 347.621,190.607 ; 348.259,155.812 348.238,155.819 348.127,156.007 348.134,156.513 348.294,156.603 348.565,156.541 348.53,155.923 ; 348.265,191.171 348.244,191.178 348.133,191.366 348.14,191.872 348.299,191.963 348.57,191.9 348.535,191.282 ; 348.315,155.787 348.315,156.034 cw(c348.788,156.034) v1@348.453,156.369 ; 348.32,191.146 348.32,191.393 cw(c348.793,191.393) v1@348.459,191.728 ; v1@348.398,156.326 348.44,155.986 ; v1@348.404,191.685 348.445,191.345
  Top Layer w0.25: 278.842,155.875 ccw(c278.842,156.177) 279.055,155.963 v1@279.251,156.159 ; 278.847,191.234 ccw(c278.847,191.536) 279.06,191.322 v1@279.257,191.519 ; 278.848,155.875 ccw(c278.848,156.461) 279.263,156.047 v1@279.272,156.055 ; 278.854,191.234 ccw(c278.854,191.82) 279.269,191.406 v1@279.277,191.414 ; 278.966,155.722 ccw(c278.966,156.191) 279.298,155.86 v1@279.411,155.972 ; 278.972,191.081 ccw(c278.972,191.55) 279.304,191.219 v1@279.416,191.331 ; 279.135,155.572 v1@279.467,156.021 ; 279.141,190.932 v1@279.473,191.38 ; 281.436,164.137 ccw(c281.86,164.561) 281.86,163.961 v1@281.909,163.961 ; 281.441,199.496 ccw(c281.865,199.92) 281.865,199.32 v1@281.915,199.32 ; 281.52,164.32 cw(c281.52,164.302) 281.533,164.315 v1@281.772,164.076 ; 281.525,199.679 cw(c281.525,199.661) 281.538,199.674 v1@281.777,199.435 ; v1@283.052,163.357 283.125,163.43 v1@283.162,163.466 ; v1@283.058,198.716 283.131,198.789 v1@283.168,198.826 ; 301.481,142.139 301.802,142.139 303.73,140.212 303.802,140.212 ; 301.486,177.499 301.808,177.499 303.736,175.571 303.807,175.571 ; 301.576,142.187 302.064,142.187 303.837,140.414 ; 301.582,177.546 302.07,177.546 303.843,175.773 ; v1@310.215,162.979 cw(c310.841,162.353) 310.841,163.238 ; v1@310.221,198.338 cw(c310.846,197.713) 310.846,198.597 ; v1@310.265,162.938 310.759,163.017 310.957,163.244 310.977,163.261 ; v1@310.271,198.297 310.765,198.376 310.962,198.603 310.983,198.62 ; v1@310.277,163.044 310.539,163.279 310.765,163.311 ; v1@310.282,198.403 310.544,198.638 310.771,198.671 ; 312.212,155.708 ccw(c313.695,155.708) 312.646,154.659 ccw(c312.867,154.88) 312.867,154.568 ; 312.218,191.067 ccw(c313.7,191.067) 312.652,190.018 ccw(c312.873,190.239) 312.873,189.927 ; 312.229,155.3 312.567,154.463 312.86,154.48 312.883,154.48 ; 312.234,190.659 312.573,189.822 312.865,189.839 312.888,189.839 ; 312.59,154.824 312.871,154.773 312.877,154.773 ; 312.596,190.183 312.877,190.132 312.883,190.132 ; 314.224,155.884 ccw(c314.224,156.185) 314.438,155.972 v1@314.634,156.168 ; 314.23,191.243 ccw(c314.23,191.545) 314.443,191.331 v1@314.639,191.527 ; 314.231,155.884 ccw(c314.231,156.47) 314.646,156.056 v1@314.655,156.064 ; 314.237,191.243 ccw(c314.237,191.829) 314.652,191.415 v1@314.66,191.423 ; 314.349,155.731 ccw(c314.349,156.2) 314.681,155.869 v1@314.794,155.981 ; 314.355,191.09 ccw(c314.355,191.559) 314.687,191.228 v1@314.799,191.34 ; 314.518,155.581 v1@314.85,156.03 ; 314.524,190.94 v1@314.855,191.389 ; 316.819,164.146 ccw(c317.243,164.57) 317.243,163.97 v1@317.292,163.97 ; 316.824,199.505 ccw(c317.248,199.929) 317.248,199.329 v1@317.298,199.329 ; 316.903,164.329 cw(c316.903,164.311) 316.916,164.324 v1@317.155,164.085 ; 316.908,199.688 cw(c316.908,199.67) 316.921,199.683 v1@317.16,199.444 ; v1@318.435,163.366 318.508,163.439 v1@318.545,163.475 ; v1@318.441,198.725 318.514,198.798 v1@318.55,198.834 ; 336.864,142.148 337.185,142.148 339.113,140.22 339.184,140.22 ; 336.869,177.507 337.191,177.507 339.119,175.579 339.19,175.579 ; 336.959,142.196 337.447,142.196 339.22,140.423 ; 336.964,177.555 337.452,177.555 339.226,175.782 ; v1@345.598,162.988 cw(c346.224,162.362) 346.224,163.247 ; v1@345.604,198.347 cw(c346.229,197.721) 346.229,198.606 ; v1@345.648,162.947 346.142,163.026 346.34,163.253 346.36,163.27 ; v1@345.653,198.306 346.148,198.385 346.345,198.612 346.366,198.629 ; v1@345.66,163.052 345.922,163.288 346.148,163.32 ; v1@345.665,198.412 345.927,198.647 346.154,198.679 ; 347.595,155.716 ccw(c349.078,155.716) 348.029,154.668 ccw(c348.25,154.889) 348.25,154.577 ; 347.601,191.076 ccw(c349.083,191.076) 348.035,190.027 ccw(c348.256,190.248) 348.256,189.936 ; 347.612,155.309 347.95,154.472 348.243,154.489 348.266,154.489 ; 347.617,190.668 347.956,189.831 348.248,189.848 348.271,189.848 ; 347.973,154.833 348.254,154.782 348.26,154.782 ; 347.979,190.192 348.26,190.141 348.265,190.141